# Altium PCB Sensor.PcbDoc (part 1 of 2) (continued)
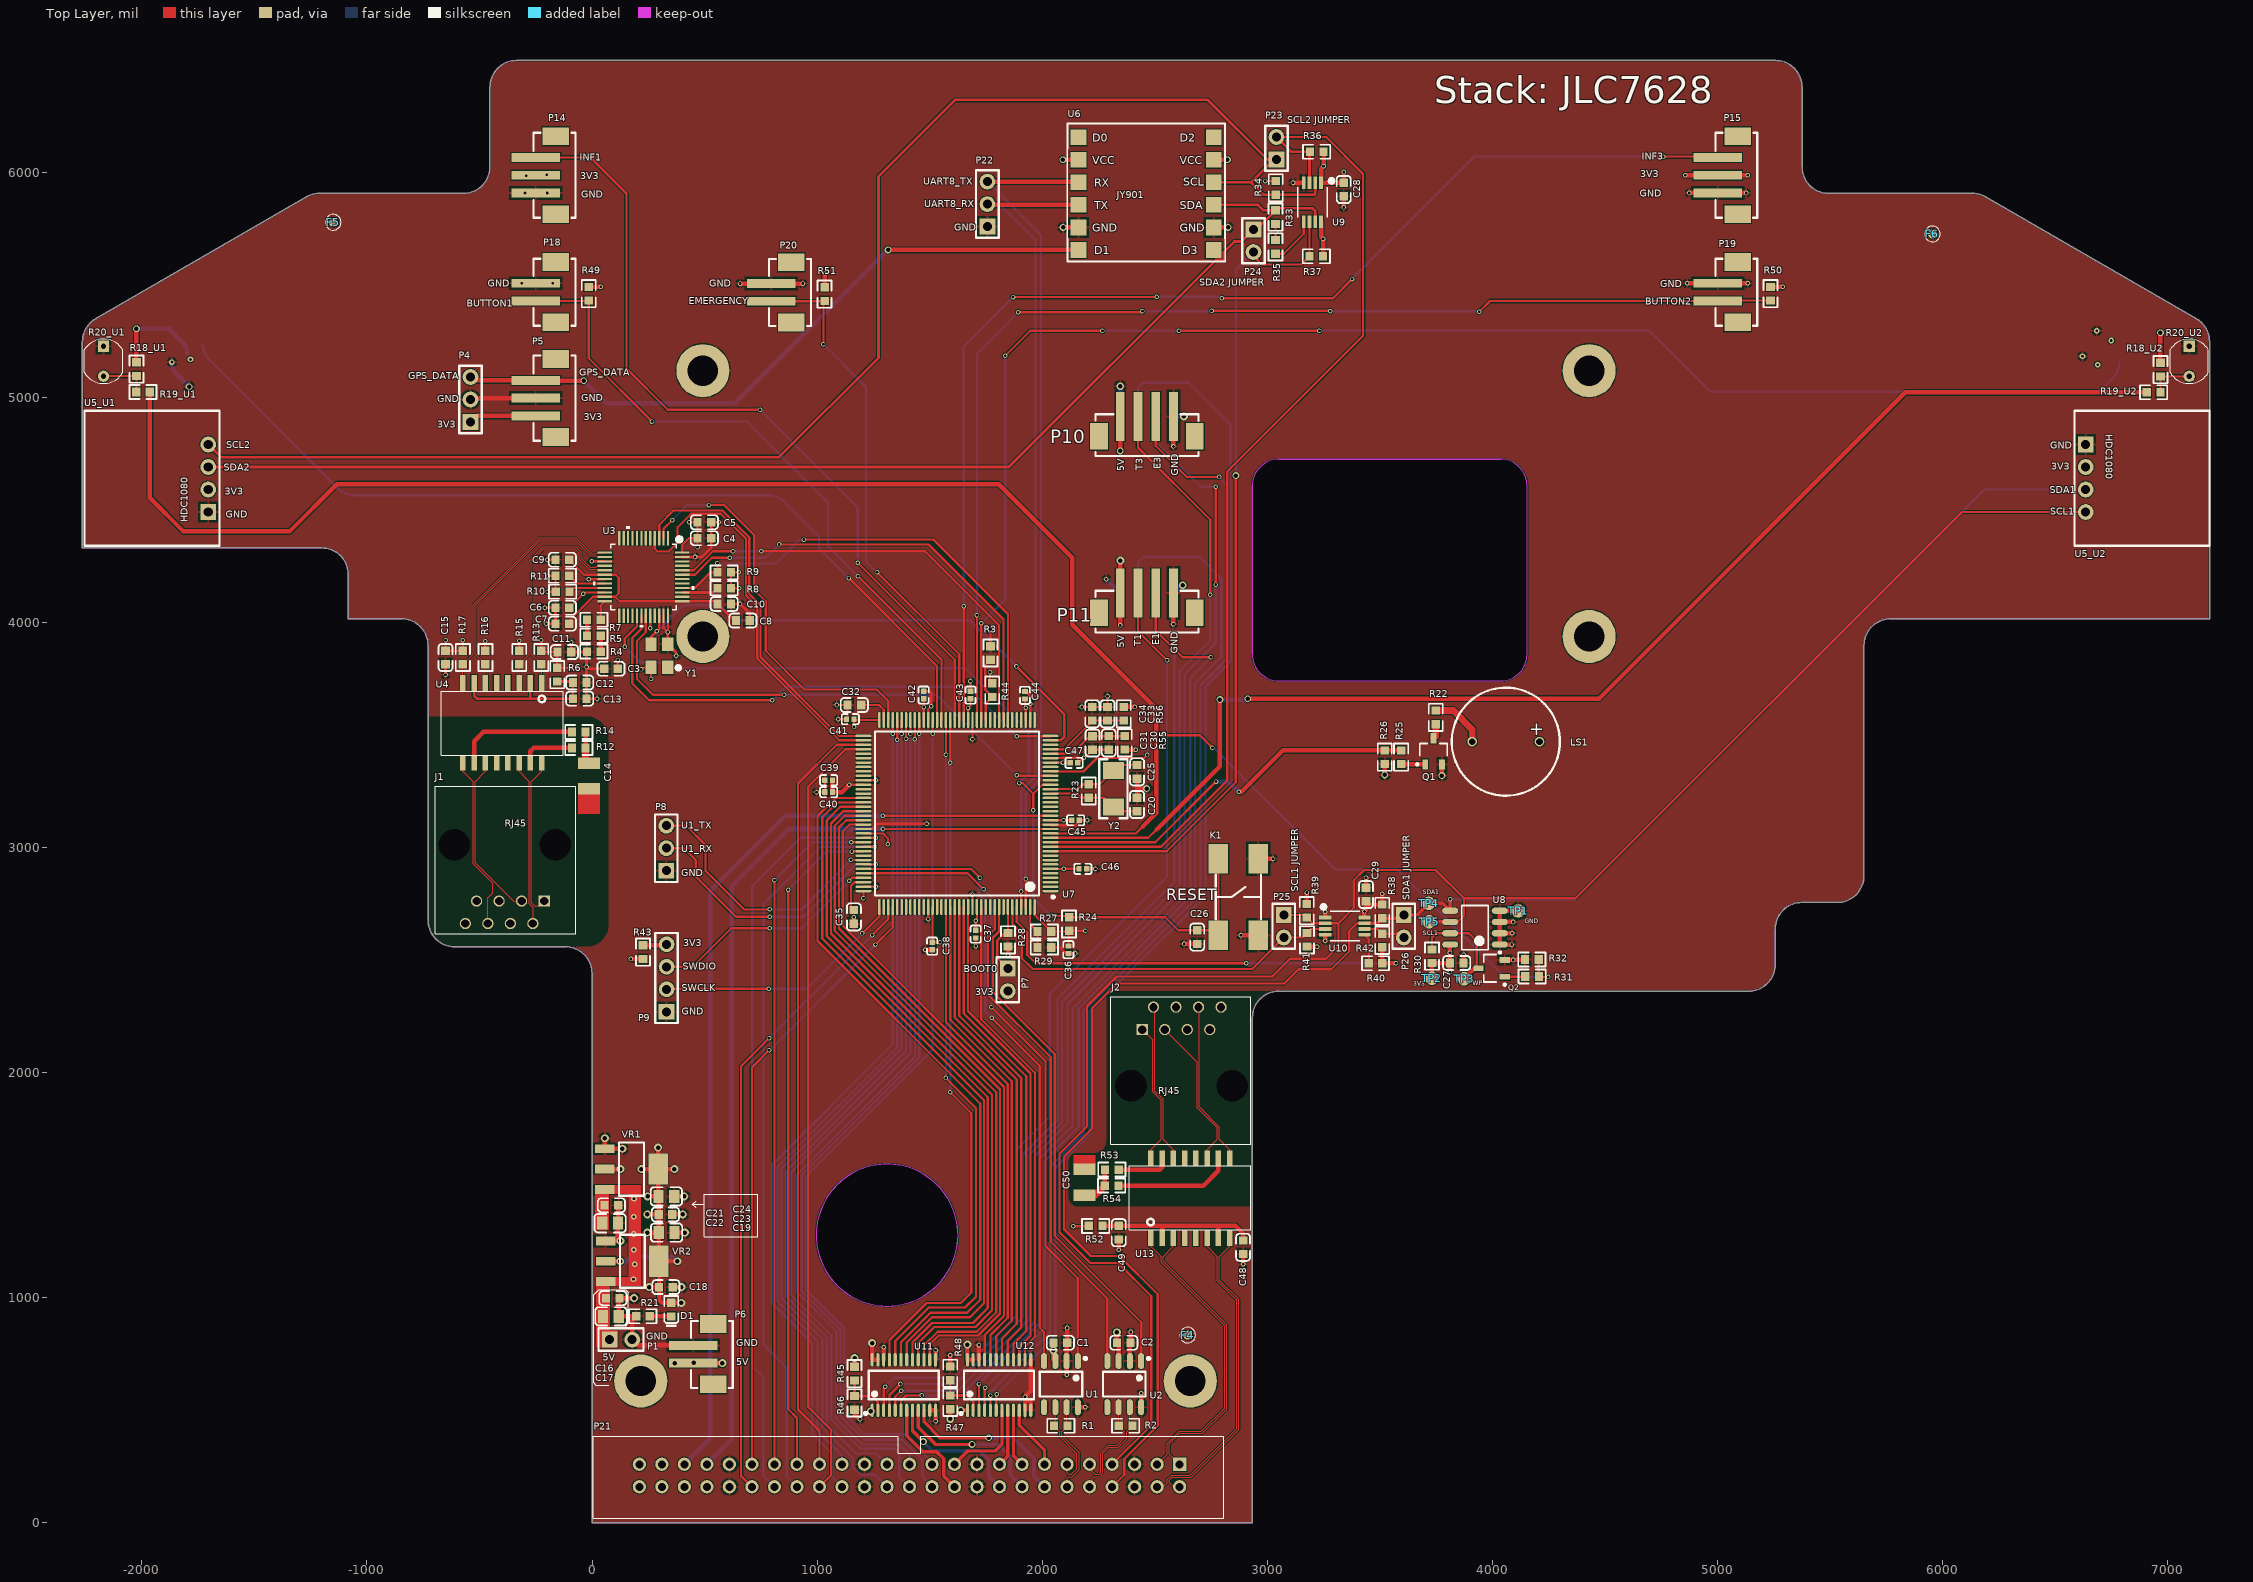
[diagram p0: Top Layer view]
## Components (designator, comment, footprint, x,y, rotation, side; value= is the part's Value field where it differs from the comment)
C1 "100nF (104) 10% 50V" 0603_C 2080,800 r180 top
C2 "100nF (104) 10% 50V" 0603_C 2362,800 r180 top
C3 "100nF (104) 10% 50V" 0603_C 84,3794 r0 top
C4 "100nF (104) 10% 50V" 0603_C 499,4374 r180 top
C5 "100nF (104) 10% 50V" 0603_C 499,4445 r180 top
C6 "10nF (103) 10% 50V" 0603_C -132,4065 r0 top
C7 "100nF (104) 10% 50V" 0603_C -132,3994 r0 top
C8 "100nF (104) 10% 50V" 0603_C 670,4008 r180 top
C9 "100nF (104) 10% 50V" 0603_C -132,4278 r0 top
C10 "10uF (106) 10% 10V" 0603_C 587,4082 r180 top
C11 "100nF (104) 10% 50V" 0603_C -123,3868 r180 top
C12 "100nF (104) 10% 50V" 0603_C -55,3733 r0 top
C13 "100nF (104) 10% 50V" 0603_C -55,3661 r180 top
C14 "2000V" CAP1210N -13,3318 r90 top value=1000pF
C15 "100nF (104) 10% 50V" 0603_C -651,3844 r90 top
C16 "100nF (104) 10% 50V" 0603_C 92,998 r180 top
C17 "22uF (226) 20% 25V" 0805_C 84,917 r180 top
C18 "100nF (104) 10% 50V" 0603_C 328,1047 r180 top
C19 "22uF (226) 20% 25V" 0805_C 331,1289 r180 top
C20 "20pF (200) 5% 50V" 0603_C 2421,3191 r90 top
C21 "100nF (104) 10% 50V" 0603_C 86,1411 r180 top
C22 "22uF (226) 20% 25V" 0805_C 80,1331 r180 top
C23 "100nF (104) 10% 50V" 0603_C 326,1370 r180 top
C24 "22uF (226) 20% 25V" 0805_C 330,1450 r180 top
C25 "20pF (200) 5% 50V" 0603_C 2421,3336 r270 top
C26 "100nF (104) 10% 50V" 0603_C 2688,2602 r90 top
C27 "100nF (104) 10% 50V" 0603_C 3841,2487 r0 top
C28 "10nF (103) 10% 50V" 0603_C 3339,5923 r90 top
C29 "10nF (103) 10% 50V" 0603_C 3438,2791 r270 top
C30 "1uF (105) 10% 50V" 0603_C 2294.89,3464.61 r270 top
C31 "100nF (104) 10% 50V" 0603_C 2223,3464 r90 top
C32 "2.2uF (225) 10% 16V" 0603_C 1165,3633 r180 top
C33 "1uF (105) 10% 50V" 0603_C 2290,3594 r270 top
C34 "100nF (104) 10% 50V" 0603_C 2222,3594 r90 top
C35 "2.2uF (225) 10% 16V" 0603_C 1163,2692 r270 top
C36 "100nF (104) 10% 16V" 0402_C 2116,2546 r90 top
C37 "100nF (104) 10% 16V" 0402_C 1704,2615 r90 top
C38 "100nF (104) 10% 16V" 0402_C 1511,2562 r90 top
C39 "100nF (104) 10% 16V" 0402_C 1051,3299 r0 top
C40 "100nF (104) 10% 16V" 0402_C 1051,3246 r0 top
C41 "100nF (104) 10% 16V" 0402_C 1147,3570 r0 top
C42 "100nF (104) 10% 16V" 0402_C 1473,3677 r270 top
C43 "100nF (104) 10% 16V" 0402_C 1681,3677 r270 top
C44 "100nF (104) 10% 16V" 0402_C 1923,3676 r270 top
C45 "100nF (104) 10% 16V" 0402_C 2148,3121 r180 top
C46 "100nF (104) 10% 16V" 0402_C 2180,2905 r180 top
C47 "100nF (104) 10% 16V" 0402_C 2141,3376 r180 top
C48 "100nF (104) 10% 50V" 0603_C 2892,1224 r270 top
C49 "100nF (104) 10% 50V" 0603_C 2340,1289 r90 top
C50 "2000V" CAP1210N 2188,1513 r270 top value=1000pF
D1 "绿灯 0603" 0603_LED_S1 352,947 r90 top
F1 "Fiducial, .040\"" "FIDUCIAL, .040\"" 5954.11,5725.39 r180 bottom
F2 "Fiducial, .040\"" "FIDUCIAL, .040\"" -1149.89,5777.39 r180 bottom
F3 "Fiducial, .040\"" "FIDUCIAL, .040\"" 2646,834 r180 bottom
F4 "Fiducial, .040\"" "FIDUCIAL, .040\"" 2646,834 r0 top
F5 "Fiducial, .040\"" "FIDUCIAL, .040\"" -1149.89,5777.39 r0 top
F6 "Fiducial, .040\"" "FIDUCIAL, .040\"" 5954.11,5725.39 r0 top
J1 "Jack Modular Connector 8p8c (RJ45, Ethernet) Vertical Unshielded Cat3" RJ45-5556416-1 -213,2762 r180 top
J2 "Jack Modular Connector 8p8c (RJ45, Ethernet) Vertical Unshielded Cat3" RJ45-5556416-1 2444,2191 r0 top
K1 "Key" Key 2871,2780 r90 top
LS1 "Buzzer" buzzer 4059,3470 r180 top
P1 "0.1\" 2POS Header SNGL" "2 POS HEADER SINGLE ROW" 78,814 r0 top
P4 "0.1\" 3POS Header SNGL" "3 POS HEADER SINGLE ROW" -540,4890 r90 top
P5 "B3B-PH-SM4-TB(LF)(SN)" B3B-PH-SM4-TB(LF)(SN) -250,5075 r90 top
P6 "B2B-PH-SM4-TB(LF)(SN)" B2B-PH-SM4-TB(LF)(SN) 449,867 r90 top
P7 "0.1\" 2POS Header SNGL" "2 POS HEADER SINGLE ROW" 1847,2462 r270 top
P8 "0.1\" 3POS Header SNGL" "3 POS HEADER SINGLE ROW" 330,2897 r90 top
P9 "0.1\" 4POS Header SNGL" "4 POS HEADER SINGLE ROW" 331,2270 r90 top
P10 "B4B-PH-SM4-TB(LF)(SN)" B4B-PH-SM4-TB(LF)(SN) 2504,4915 r0 top
P11 "B4B-PH-SM4-TB(LF)(SN)" B4B-PH-SM4-TB(LF)(SN) 2504,4131 r0 top
P12 "B4B-PH-SM4-TB(LF)(SN)" B4B-PH-SM4-TB(LF)(SN) 2425,4915 r180 bottom
P13 "B4B-PH-SM4-TB(LF)(SN)" B4B-PH-SM4-TB(LF)(SN) 2425,4130 r180 bottom
P14 "B3B-PH-SM4-TB(LF)(SN)" B3B-PH-SM4-TB(LF)(SN) -250,6065 r90 top
P15 "B3B-PH-SM4-TB(LF)(SN)" B3B-PH-SM4-TB(LF)(SN) 5000,6065 r90 top
P16 "B3B-PH-SM4-TB(LF)(SN)" B3B-PH-SM4-TB(LF)(SN) -1730,5235 r30 bottom
P17 "B3B-PH-SM4-TB(LF)(SN)" B3B-PH-SM4-TB(LF)(SN) 6785,5155 r330 bottom
P18 "B2B-PH-SM4-TB(LF)(SN)" B2B-PH-SM4-TB(LF)(SN) -250,5585 r90 top
P19 "B2B-PH-SM4-TB(LF)(SN)" B2B-PH-SM4-TB(LF)(SN) 5000,5585 r90 top
P20 "B2B-PH-SM4-TB(LF)(SN)" B2B-PH-SM4-TB(LF)(SN) 796,5584 r90 top
P21 "Header 25X2" HDR_2X25 2610,260 r180 top locked
P22 "0.1\" 3POS Header SNGL" "3 POS HEADER SINGLE ROW" 1756,5758 r90 top
P23 "0.1\" 2POS Header SNGL" "2 POS HEADER SINGLE ROW" 3040,6056 r90 top
P24 "0.1\" 2POS Header SNGL" "2 POS HEADER SINGLE ROW" 2938,5745 r270 top
P25 "0.1\" 2POS Header SNGL" "2 POS HEADER SINGLE ROW" 3073,2700 r270 top
P26 "0.1\" 2POS Header SNGL" "2 POS HEADER SINGLE ROW" 3606,2700 r270 top
Q1 "AO3400A N道沟 X0YV1T SOT-23" SOT-23-3L 3738,3427 r270 top
Q2 "AO3400A N道沟 X0YV1T SOT-23" SOT-23-3L 3996,2463 r0 top
R1 "120Ω (1200) ±1%" 0603_R 2082,431 r0 top
R2 "120Ω (1200) ±1%" 0603_R 2370,431 r0 top
R3 "10KΩ (1002) ±1%" 0603_R 1770,3864 r90 top
R4 "10Ω (10R0) ±1%" 0603_R 8,3870 r180 top
R5 "160Ω (1600) ±1%" 0603_R 8,3941 r180 top
R6 "0Ω (0R0) ±1%" 0603_R -155,3768 r90 top
R7 "4.7KΩ (4701) ±1%" 0603_R 8,4012 r180 top
R8 "2KΩ (2001) ±1%" 0603_R 587,4152 r0 top
R9 "2KΩ (2001) ±1%" 0603_R 587,4222 r0 top
R10 "2KΩ (2001) ±1%" 0603_R -131,4136 r0 top
R11 "2KΩ (2001) ±1%" 0603_R -132,4207 r0 top
R12 "75Ω (75R0) ±1%" 0603_R -59,3442 r0 top
R13 "51Ω (51R0) ±1%" 0603_R -226,3844 r270 top
R14 "75Ω (75R0) ±1%" 0603_R -59,3513 r0 top
R15 "51Ω (51R0) ±1%" 0603_R -324,3844 r90 top
R16 "51Ω (51R0) ±1%" 0603_R -474,3844 r270 top
R17 "51Ω (51R0) ±1%" 0603_R -574,3844 r90 top
R18_U1 "47KΩ (4702) ±1%" 0603_R -2024,5125 r90 top (schematic designator R18)
R18_U2 "47KΩ (4702) ±1%" 0603_R 6967,5123 r90 top (schematic designator R18)
R19_U1 "100KΩ (1003) ±1%" 0603_R -1995,5023 r180 top (schematic designator R19)
R19_U2 "100KΩ (1003) ±1%" 0603_R 6937,5022 r0 top (schematic designator R19)
R20_U1 "GL5516A" GL5516A -2170,5160 r180 top (schematic designator R20)
R20_U2 "GL5516A" GL5516A 7095,5160 r180 top (schematic designator R20)
R21 "330Ω (3300) ±1%" 0603_R 226,918 r0 top
R22 "0Ω (0R0) ±1%" 0603_R 3748,3578 r90 top
R23 "10MΩ (1005) ±1%" 0603_R 2206,3251 r270 top
R24 "100KΩ (1003) ±1%" 0603_R 2119,2660 r270 top
R25 "330Ω (3300) ±1%" 0603_R 3594,3401 r90 top
R26 "100KΩ (1003) ±1%" 0603_R 3521,3401 r90 top
R27 "10KΩ (1002) ±1%" 0603_R 2009,2627 r0 top
R28 "10KΩ (1002) ±1%" 0603_R 1848,2590 r90 top
R29 "10KΩ (1002) ±1%" 0603_R 2009,2556 r180 top
R30 "10KΩ (1002) ±1%" 0603_R 3731,2517 r270 top
R31 "330Ω (3300) ±1%" 0603_R 4176,2427 r0 top
R32 "100KΩ (1003) ±1%" 0603_R 4175,2502 r0 top
R33 "10KΩ (1002) ±1%" 0603_R 3036,5800 r270 top
R34 "10KΩ (1002) ±1%" 0603_R 3037,5930 r90 top
R35 "10KΩ (1002) ±1%" 0603_R 3036,5668 r90 top
R36 "10KΩ (1002) ±1%" 0603_R 3219,6091 r0 top
R37 "10KΩ (1002) ±1%" 0603_R 3217,5626 r0 top
R38 "10KΩ (1002) ±1%" 0603_R 3510,2716 r90 top
R39 "10KΩ (1002) ±1%" 0603_R 3175,2719 r90 top
R40 "10KΩ (1002) ±1%" 0603_R 3480,2486 r0 top
R41 "10KΩ (1002) ±1%" 0603_R 3176,2590 r270 top
R42 "10KΩ (1002) ±1%" 0603_R 3510,2587 r270 top
R43 "0Ω (0R0) ±1%" 0603_R 226,2535 r270 top
R44 "10KΩ (1002) ±1%" 0603_R 1778,3699 r90 top
R45 "0Ω (0R0) ±1%" 0603_R 1166,663 r90 top
R46 "10KΩ (1002) ±1%" 0603_R 1166,533 r90 top
R47 "0Ω (0R0) ±1%" 0603_R 1591,535 r270 top
R48 "10KΩ (1002) ±1%" 0603_R 1591,664 r270 top
R49 "10KΩ (1002) ±1%" 0603_R -15,5460 r90 top
R50 "10KΩ (1002) ±1%" 0603_R 5235,5460 r90 top
R51 "10KΩ (1002) ±1%" 0603_R 1033,5458 r90 top
R52 "0Ω (0R0) ±1%" 0603_R 2237,1319 r180 top
R53 "75Ω (75R0) ±1%" 0603_R 2309,1569 r180 top
R54 "75Ω (75R0) ±1%" 0603_R 2308,1498 r180 top
R55 "0Ω (0R0) ±1%" 0603_R 2366,3465 r90 top
R56 "0Ω (0R0) ±1%" 0603_R 2362,3594 r270 top
TP1 "Test Point, 60mil" test_point_60_mil 4114,2718 r0 top
TP2 "Test Point, 60mil" test_point_60_mil 3731,2419 r90 top
TP3 "Test Point, 60mil" test_point_60_mil 3874,2417 r90 top
TP4 "Test Point, 60mil" test_point_60_mil 3717,2752 r90 top
TP5 "Test Point, 60mil" test_point_60_mil 3718,2670 r90 top
U1 "CAN/TJA1050T/CM" SOIC-8_150mil 2083,616 r180 top
U2 "CAN/TJA1050T/CM" SOIC-8_150mil 2364,616 r180 top
U3 "IC TXRX ETHERNET 48LQFP" 48-LQFP 229,4202 r270 top locked
U4 "TRANSFORMER" Bel_transformer -224,3731 r270 top
U5_U1 "HDC1080" HDC1080 -1705,4640 r90 top (schematic designator U5)
U5_U2 "HDC1080" HDC1080 6635,4640 r270 top (schematic designator U5)
U6 "JY901" JY-901 2160.63,5655 r0 top locked
U7 "STM32F4xxZ1" LQFP-144_20x20x05P 1621,3151 r90 top value=Value
U8 "M24C02-WMN6TP" SOIC127P600-8CM 3922,2644 r180 top
U9 "ltc4307ims8#pbf" MSOP-8_MS 3200,5866 r270 top value=Value
U10 "ltc4307ims8#pbf" MSOP-8_MS 3344,2651 r0 top value=Value
U11 "SN74LVC4245APWRG4" TSSOP-24 1385,612 r0 top
U12 "SN74LVC4245APWRG4" TSSOP-24 1808,612 r0 top
U13 "TRANSFORMER" Bel_transformer 2482,1265 r90 top
VR1 "AMS1117-3.3" SOT-223 175,1571 r180 top
VR2 "AMS1117-3.3" SOT-223 179,1162 r180 top
Y1 "Oscillator" SMD-3225 336,3810 r90 top
Y2 "8MHz ±20ppm 20pF" SMD-5032_2P 2316,3261 r90 top

## Footprints (in the part's own frame and the unit in brackets; to place one, negate y for a bottom-side part, rotate by r counter-clockwise, add the part's x,y. Pads: shape width x height; smd on the part's side, far side on the other; paste and mask are expansions set on the pad)
"2 POS HEADER SINGLE ROW" [mil]
  rect 70x70 hole 40.16: 1(0,0)
  round 70 hole 40.16: 2(100,0)
  silkscreen extent -50,-50 150,50, body extent -50,-48 150,52, height 234
"3 POS HEADER SINGLE ROW" [mil]
  rect 70x70 hole 40.16: 1(0,0)
  round 70 hole 40.16: 2(100,0) 3(200,0)
  silkscreen extent -50,-50 250,50, body extent -50,-58 250,57, height 335
"4 POS HEADER SINGLE ROW" [mil]
  rect 70x70 hole 40.16: 1(0,0)
  round 70 hole 40.16: 2(100,0) 3(200,0) 4(300,0)
  silkscreen extent -50,-50 350,50, body extent -50,-50 350,50, height 333
48-LQFP [mil]
  rect 64x10 smd: 1(-172,108.27) 2(-172,88.58) 3(-172,68.9) 4(-172,49.21) 5(-172,29.53) 6(-172,9.84) 7(-172,-9.84) 8(-172,-29.53) 9(-172,-49.21) 10(-172,-68.9) 11(-172,-88.58) 12(-172,-108.27) 25(172,-108.27) 26(172,-88.58) 27(172,-68.9) 28(172,-49.21) 29(172,-29.53) 30(172,-9.84) 31(172,9.84) 32(172,29.53) 33(172,49.21) 34(172,68.9) 35(172,88.58) 36(172,108.27)
  rect 10x64 smd: 13(-108.27,-172) 14(-88.58,-172) 15(-68.9,-172) 16(-49.21,-172) 17(-29.53,-172) 18(-9.84,-172) 19(9.84,-172) 20(29.53,-172) 21(49.21,-172) 22(68.9,-172) 23(88.58,-172) 24(108.27,-172) 37(108.27,172) 38(88.58,172) 39(68.9,172) 40(49.21,172) 41(29.53,172) 42(9.84,172) 43(-9.84,172) 44(-29.53,172) 45(-49.21,172) 46(-68.9,172) 47(-88.58,172) 48(-108.27,172)
  silkscreen extent -224,-224 224,224, body extent -182,-182 182,182, height 63
0402_C [mm]
  rect 0.6x0.65 smd mask+0.051: 1(-0.425,0) 2(0.425,0)
  silkscreen extent -0.97,-0.58 0.97,0.58, body extent -0.48,-0.3 0.52,0.3, height 0.2
0603_C [mm]
  rect 0.93x0.98 smd: 1(-0.77,0) 2(0.77,0)
  silkscreen extent -1.53,-0.79 1.54,0.79, body extent -0.8,-0.4 0.8,0.4, height 0.3
0603_LED_S1 [mm]
  rect 0.93x0.98 smd: A(0.77,0) K(-0.77,0)
  silkscreen extent -1.98,-0.79 1.54,0.79, body extent -0.8,-0.4 0.8,0.4, height 0.6
0603_R [mm]
  rect 0.93x0.98 smd: 1(-0.77,0) 2(0.77,0)
  silkscreen extent -1.53,-0.79 1.54,0.79, body extent -0.85,-0.4 0.85,0.4, height 0.56
0805_C [mm]
  rect 1.16x1.47 smd: 1(-0.89,0) 2(0.89,0)
  silkscreen extent -1.77,-1.04 1.77,1.04, body extent -1,-0.62 1,0.63, height 0.77
B2B-PH-SM4-TB(LF)(SN) [mm]
  rect 2x3 smd: 0(-6.4,-2.25) 0(0.4,-2.25)
  rect 1x5.5 smd: 1(-4,0) 2(-2,0)
  silkscreen extent -6.8,-4.47 0.76,0.25, body extent -7.02,-4.57 0.93,2.43, height 6.62
B3B-PH-SM4-TB(LF)(SN) [mm]
  rect 2x3 smd: 0(-6.4,-2.25) 0(2.4,-2.25)
  rect 1x5.5 smd: 1(-4,0) 2(-2,0) 3(0,0)
  silkscreen extent -6.8,-4.47 2.79,0.25, body extent -7.01,-4.57 2.94,2.43, height 6.62
B4B-PH-SM4-TB(LF)(SN) [mm]
  rect 2x3 smd: 0(-6.4,-2.25) 0(4.4,-2.25)
  rect 1x5.5 smd: 1(-4,0) 2(-2,0) 3(0,0) 4(2,0)
  silkscreen extent -6.8,-4.47 4.83,0.25, body extent -6.99,-4.57 4.96,2.43, height 6.62
Bel_transformer [mil]
  rect 70x25 smd: 1(0,0) 2(0,-50) 3(0,-100) 4(0,-150) 5(0,-200) 6(0,-250) 7(0,-300) 8(0,-350) 9(355,-350) 10(355,-300) 11(355,-250) 12(355,-200) 13(355,-150) 14(355,-100) 15(355,-50) 16(355,0)
  silkscreen extent 36,-445 321,96, body extent 38,-444 321,95, height 225
buzzer [mm]
  round 1.1 hole 0.75: 1(-3.8,0) 2(3.8,0)
  silkscreen extent -6.1,-6.1 6.09,6.1, body extent -6.1,-6.1 6.1,6.1, height 10
CAP1210N [mm] "Chip Capacitor, Body 3.2x1.6mm, IPC Medium Density"
  rect 1.3x2.5 smd: 1(-1.45,0) 2(1.45,0)
  body extent -1.7,-1.3 1.7,1.3, height 1.35
"FIDUCIAL, .040\"" [mil]
  round 40 smd paste-20 mask+15: ""(0,0)
  silkscreen extent -35,-35 35,35
GL5516A [mm]
  rect 1.27x1.27 hole 0.6: 1(0,-1.7)
  round 1.27 hole 0.6: 2(0,1.7)
  silkscreen extent -2.16,-2.5 2.16,2.5, body extent -2.16,-2.51 2.16,2.51, height 2.54
HDC1080 [mil]
  rect 70x70 hole 40.16: 1(-150,0)
  round 70 hole 40.16: 2(-50,0) 3(50,0) 4(150,0)
  silkscreen extent -300,-50 300,550, body extent -300,-50 300,550, height 333
HDR_2X25 [mm] "Connector; Header; 25x2 Position"
  rect 1.5x1.5 hole 0.9: 1(0,0)
  round 1.5 hole 0.9: 2(0,2.54) 3(2.54,0) 4(2.54,2.54) 5(5.08,0) 6(5.08,2.54) 7(7.62,0) 8(7.62,2.54) 9(10.16,0) 10(10.16,2.54) 11(12.7,0) 12(12.7,2.54) 13(15.24,0) 14(15.24,2.54) 15(17.78,0) 16(17.78,2.54) 17(20.32,0) 18(20.32,2.54) 19(22.86,0) 20(22.86,2.54) 21(25.4,0) 22(25.4,2.54) 23(27.94,0) 24(27.94,2.54) 25(30.48,0) 26(30.48,2.54) 27(33.02,0) 28(33.02,2.54) 29(35.56,0) 30(35.56,2.54) 31(38.1,0) 32(38.1,2.54) 33(40.64,0) 34(40.64,2.54) 35(43.18,0) 36(43.18,2.54) 37(45.72,0) 38(45.72,2.54) 39(48.26,0) 40(48.26,2.54) 41(50.8,0) 42(50.8,2.54) 43(53.34,0) 44(53.34,2.54) 45(55.88,0) 46(55.88,2.54) 47(58.42,0) 48(58.42,2.54) 49(60.96,0) 50(60.96,2.54)
  silkscreen extent -4.95,-3.18 66.17,6.1, body extent -4.95,-3.17 66.17,6.05, height 9.22
JY-901 [mil]
  rect 70x70 smd: 1(0.63,499.63) 2(0.63,399.63) 3(0.63,299.63) 4(0.63,199.63) 5(0.63,99.63) 6(0.63,-0.37) 7(600.63,-0.37) 8(600.63,99.63) 9(600.63,199.63) 10(600.63,299.63) 11(600.63,399.63) 12(600.63,499.63)
  silkscreen extent -49,-51 652,561, body extent 0,-45 600,555, height 79
Key [mm]
  rect 3.3x2.2 smd: 1(-4.325,2.25) 2(4.325,2.25) 3(-4.325,-2.25) 4(4.325,-2.25)
  silkscreen extent -2.54,-2.54 2.54,2.54, body extent -5,-3 5,3, height 5.08
LQFP-144_20x20x05P [mm]
  oval 0.28x1.8 smd mask+0.051: 1(-8.75,-10.55) 2(-8.25,-10.55) 3(-7.75,-10.55) 4(-7.25,-10.55) 5(-6.75,-10.55) 6(-6.25,-10.55) 7(-5.75,-10.55) 8(-5.25,-10.55) 9(-4.75,-10.55) 10(-4.25,-10.55) 11(-3.75,-10.55) 12(-3.25,-10.55) 13(-2.75,-10.55) 14(-2.25,-10.55) 15(-1.75,-10.55) 16(-1.25,-10.55) 17(-0.75,-10.55) 18(-0.25,-10.55) 19(0.25,-10.55) 20(0.75,-10.55) 21(1.25,-10.55) 22(1.75,-10.55) 23(2.25,-10.55) 24(2.75,-10.55) 25(3.25,-10.55) 26(3.75,-10.55) 27(4.25,-10.55) 28(4.75,-10.55) 29(5.25,-10.55) 30(5.75,-10.55) 31(6.25,-10.55) 32(6.75,-10.55) 33(7.25,-10.55) 34(7.75,-10.55) 35(8.25,-10.55) 36(8.75,-10.55) 73(8.75,10.55) 74(8.25,10.55) 75(7.75,10.55) 76(7.25,10.55) 77(6.75,10.55) 78(6.25,10.55) 79(5.75,10.55) 80(5.25,10.55) 81(4.75,10.55) 82(4.25,10.55) 83(3.75,10.55) 84(3.25,10.55) 85(2.75,10.55) 86(2.25,10.55) 87(1.75,10.55) 88(1.25,10.55) 89(0.75,10.55) 90(0.25,10.55) 91(-0.25,10.55) 92(-0.75,10.55) 93(-1.25,10.55) 94(-1.75,10.55) 95(-2.25,10.55) 96(-2.75,10.55) 97(-3.25,10.55) 98(-3.75,10.55) 99(-4.25,10.55) 100(-4.75,10.55) 101(-5.25,10.55) 102(-5.75,10.55) 103(-6.25,10.55) 104(-6.75,10.55) 105(-7.25,10.55) 106(-7.75,10.55) 107(-8.25,10.55) 108(-8.75,10.55)
  oval 1.8x0.28 smd mask+0.051: 37(10.55,-8.75) 38(10.55,-8.25) 39(10.55,-7.75) 40(10.55,-7.25) 41(10.55,-6.75) 42(10.55,-6.25) 43(10.55,-5.75) 44(10.55,-5.25) 45(10.55,-4.75) 46(10.55,-4.25) 47(10.55,-3.75) 48(10.55,-3.25) 49(10.55,-2.75) 50(10.55,-2.25) 51(10.55,-1.75) 52(10.55,-1.25) 53(10.55,-0.75) 54(10.55,-0.25) 55(10.55,0.25) 56(10.55,0.75) 57(10.55,1.25) 58(10.55,1.75) 59(10.55,2.25) 60(10.55,2.75) 61(10.55,3.25) 62(10.55,3.75) 63(10.55,4.25) 64(10.55,4.75) 65(10.55,5.25) 66(10.55,5.75) 67(10.55,6.25) 68(10.55,6.75) 69(10.55,7.25) 70(10.55,7.75) 71(10.55,8.25) 72(10.55,8.75) 109(-10.55,8.75) 110(-10.55,8.25) 111(-10.55,7.75) 112(-10.55,7.25) 113(-10.55,6.75) 114(-10.55,6.25) 115(-10.55,5.75) 116(-10.55,5.25) 117(-10.55,4.75) 118(-10.55,4.25) 119(-10.55,3.75) 120(-10.55,3.25) 121(-10.55,2.75) 122(-10.55,2.25) 123(-10.55,1.75) 124(-10.55,1.25) 125(-10.55,0.75) 126(-10.55,0.25) 127(-10.55,-0.25) 128(-10.55,-0.75) 129(-10.55,-1.25) 130(-10.55,-1.75) 131(-10.55,-2.25) 132(-10.55,-2.75) 133(-10.55,-3.25) 134(-10.55,-3.75) 135(-10.55,-4.25) 136(-10.55,-4.75) 137(-10.55,-5.25) 138(-10.55,-5.75) 139(-10.55,-6.25) 140(-10.55,-6.75) 141(-10.55,-7.25) 142(-10.55,-7.75) 143(-10.55,-8.25) 144(-10.55,-8.75)
  silkscreen extent -9.57,-11 9.25,9.25, body extent -10.9,-11 11,10.9, height 1.6
MSOP-8_MS [mil]
  rect 55x17 smd: 1(-87,38.39) 2(-87,12.8) 3(-87,-12.8) 4(-87,-38.39) 5(87,-38.39) 6(87,-12.8) 7(87,12.8) 8(87,38.39)
  silkscreen extent -102,-66 66,92, body extent -101,-61 101,61, height 43
RJ45-5556416-1 [mil]
  rect 50x50 hole 37: 1(0,0)
  round 50 hole 37: 2(50,100) 3(100,0) 4(150,100) 5(200,0) 6(250,100) 7(300,0) 8(350,100)
  round 50 hole 140: MNT(-50,-250) MNT(400,-250)
  silkscreen extent -141,-509 483,145, body extent -139,-507 481,143, height 650
SMD-3225 [mil]
  rect 60x50 smd: 1(-10,0) 2(93,0) 3(93,74) 4(-10,74)
  silkscreen extent -18,-54 -6,-41, body extent -22,-11 104,88, height 33
SMD-5032_2P [mm]
  rect 1.9x2.4 smd: 1(-2.05,0) 2(2.05,0)
  silkscreen extent -3.32,-1.6 3.32,1.6
SOIC127P600-8CM [mm] "SOIC, 8-Leads, Body 4.9x3.9mm, Pitch 1.27mm, IPC Low Density"
  oval 1.8x0.7 smd: 1(-2.8,1.905) 2(-2.8,0.635) 3(-2.8,-0.635) 4(-2.8,-1.905) 5(2.8,-1.905) 6(2.8,-0.635) 7(2.8,0.635) 8(2.8,1.905)
  silkscreen extent -2.93,-2.5 1.5,2.93, body extent -2,-2.5 2,2.5, height 1.73
SOIC-8_150mil [mm]
  oval 0.7x1.8 smd: 1(-1.905,-2.6) 2(-0.635,-2.6) 3(0.635,-2.6) 4(1.905,-2.6) 5(1.905,2.6) 6(0.635,2.6) 7(-0.635,2.6) 8(-1.905,2.6)
  silkscreen extent -2.9,-3.05 2.4,1.4
SOT-23-3L [mm] "http://www.aosmd.com/res/packaging_information/SOT-23-3L.pdf"
  rect 1.15x0.65 smd: 1(1.475,-0.95) 2(1.475,0.95) 3(-1.475,0)
  silkscreen extent -0.9,-1.95 1.6,1.55, body extent -0.9,-1.55 0.9,1.55, height 1.25
SOT-223 [mm]
  rect 2.2x1 smd: 1(3,-2.3) 2(3,0) 3(3,2.3)
  rect 2.2x3.5 smd: 2(-3,0)
  silkscreen extent -1.4,-3 1.4,3, body extent -3.49,-3.24 3.49,3.24, height 1.64
test_point_60_mil [mil]
  round 60 smd paste-30: 0(0,0)
TSSOP-24 [mm]
  oval 0.35x1.5 smd: 1(-3.575,-2.85) 2(-2.925,-2.85) 3(-2.275,-2.85) 4(-1.625,-2.85) 5(-0.975,-2.85) 6(-0.325,-2.85) 7(0.325,-2.85) 8(0.975,-2.85) 9(1.625,-2.85) 10(2.275,-2.85) 11(2.925,-2.85) 12(3.575,-2.85) 13(3.575,2.85) 14(2.925,2.85) 15(2.275,2.85) 16(1.625,2.85) 17(0.975,2.85) 18(0.325,2.85) 19(-0.325,2.85) 20(-0.975,2.85) 21(-1.625,2.85) 22(-2.275,2.85) 23(-2.925,2.85) 24(-3.575,2.85)
  silkscreen extent -4.45,-3.35 3.95,1.6
